# Altium PCB mantarray_beta_drv425_Mounting_Holes.PcbDoc (part 2 of 5)
Units mm, origin at the board's own origin, x right, y up, seen from the top; angles counter-clockwise.
Board outline 158.05 x 258 mm, 8 copper layers (Top Layer, GND1, Signal 1, GND2, DVDD, PWR, AVDD, GND3), stack 1.61 mm thick; 318 components, 274 nets, 1474 pads, 756 vias.
Unrouted connection lines stored in the file: 18.
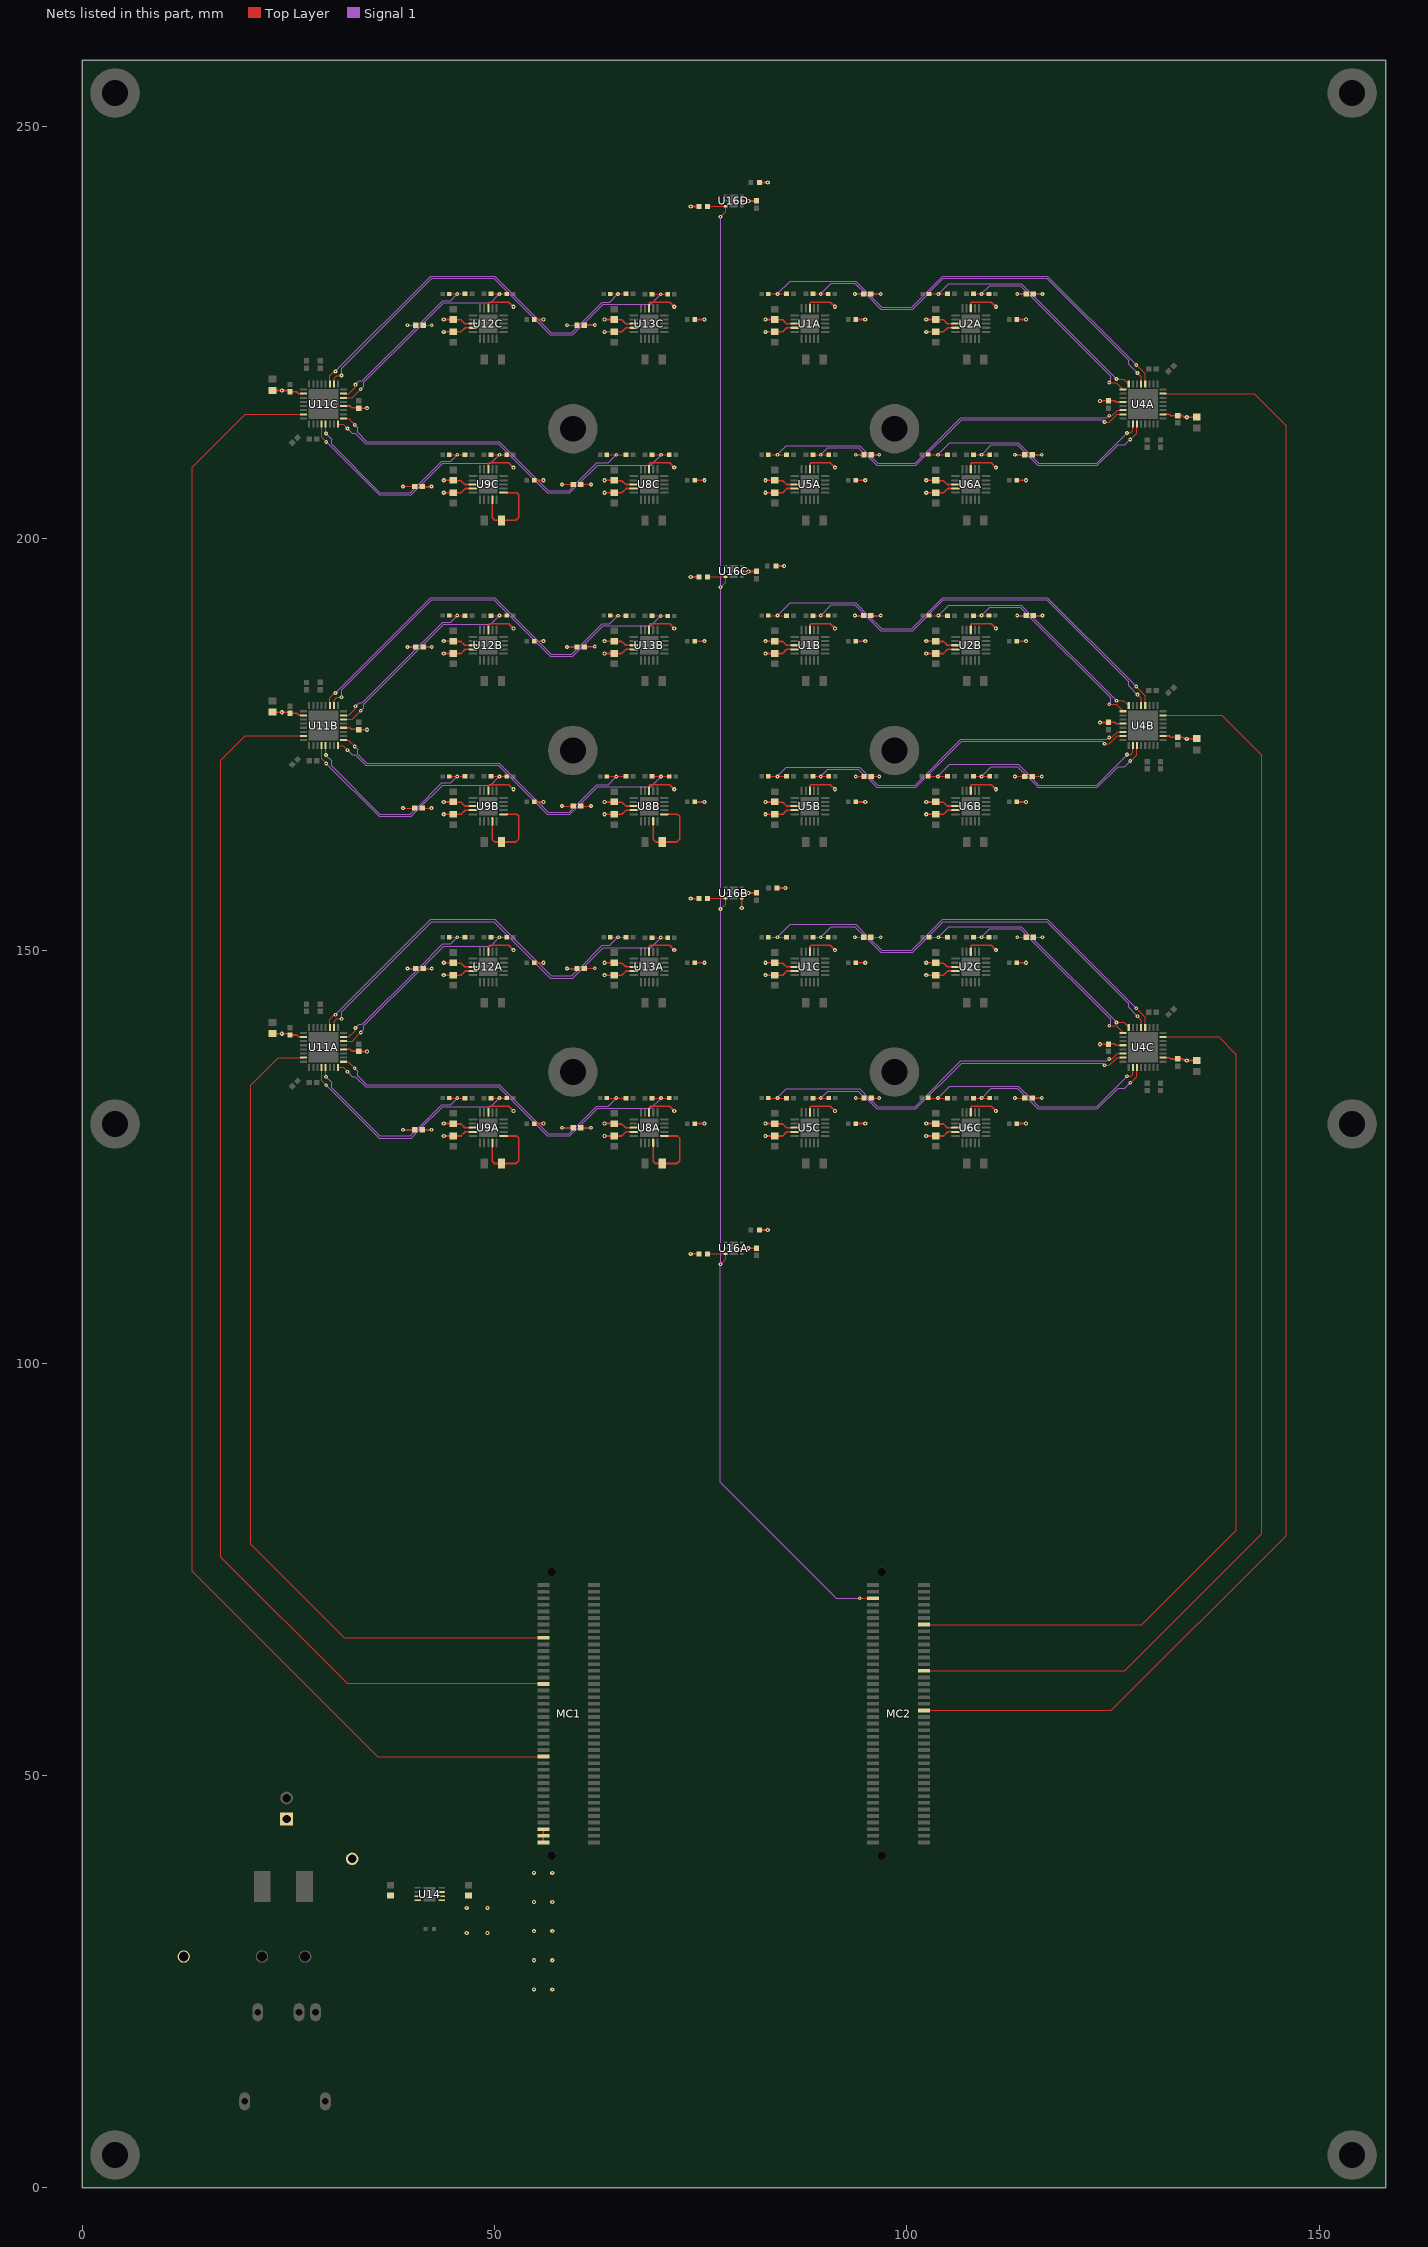
[diagram p8: the nets of this part, all layers, seen from the top]

## Part data
C1A C1B C1C C2A C2B C2C C5A C5B C5C C6A C6B C6C C23A C23B C23C C24A C24B C24C C29A C29B C29C C30A C30B C30C C39A C39B C39C C40A C40B C40C C43A C43B C43C C44A C44B C44C C61A C61B C61C C62A C62B C62C C67A C67B C67C C68A C68B C68C: library part CMP-2008-04598-1, Manufacturer=Murata, Part Number=GRM155R71C103KA01J
C3A C3B C3C C4A C4B C4C C16B C16C C17B C17C C20A C20B C20C C25B C25C C26B C26C C27A C27B C27C C28A C28B C28C C32A C32B C32C C41A C41B C41C C42A C42B C42C C54A C54B C54C C55A C55B C55C C58A C58B C58C C63A C63B C63C C64A C64B C64C C65A C65B C65C C66A C66B C66C C69A C69B C69C C77A C77B C77C C77D: library part CMP-2100-03641-1, "Chip Capacitor, 0.1 uF, +/- 10%, 16 V, -55 to 125 degC, 0402 (1005 Metric), RoHS, Tape and Reel", Capacitance=100nF, Case Code (Imperial)=0402, Case Code (Metric)=1005, Dielectric=X7R, Dielectric Material=Ceramic, Insulation Resistance=10GR, Manufacturer=Murata, Max Operating Temperature=125degC, Min Operating Temperature=-55degC, Package Description="2-Pin Surface Mount Device, Body 1 x 0.5 mm", Package Quantity=1, Tolerance=10%, Voltage=16V, Case/Package=0402, Datasheet URL=http://psearch.en.murata.com/capacitor/product/GRM155R71C104KA88%23.pdf, Datasheet Version=42675.0, Depth=0.5mm, Height=0.5mm, Lead Free=LeadFree, Length=1mm, Manufacturer URL=http://www.murata.com/, Material=Ceramic, Mount=SurfaceMount, Number of Pins=2, Package Reference=0402, Packaging=TapeandReel, Radiation Hardening=No, REACH SVHC=NoSVHC, RoHSCompliant=true, Termination=SMD/SMT, Thickness=0.022inch, Voltage Rating=16V, Voltage Rating (DC)=16V, Width=0.5mm
C7A C7B C7C C8A C8B C8C C9A C9B C9C C10A C10B C10C C18A C18B C18C C19A C19B C19C C21A C21B C21C C22A C22B C22C C45A C45B C45C C46A C46B C46C C47A C47B C47C C48A C48B C48C C56A C56B C56C C57A C57B C57C C59A C59B C59C C60A C60B C60C: library part CMP-2006-03713-1, Manufacturer=Kemet, Part Number=C0603C105K3RACTU
C16A C17A C25A C26A: library part CMP-2100-03641-1, "Chip Capacitor, 0.1 uF, +/- 10%, 16 V, -55 to 125 degC, 0402 (1005 Metric), RoHS, Tape and Reel", Capacitance=100nF, Case/Package=0402, Case Code (Metric)=1005, Dielectric=X7R, Dielectric Material=Ceramic, Insulation Resistance=10GR, Manufacturer=Murata, Max Operating Temperature=125degC, Min Operating Temperature=-55degC, Package Description="2-Pin Surface Mount Device, Body 1 x 0.5 mm", Package Quantity=1, Tolerance=10%, Voltage=16V, Case Code (Imperial)=0402, Datasheet URL=http://psearch.en.murata.com/capacitor/product/GRM155R71C104KA88%23.pdf, Datasheet Version=42675.0, Depth=0.5mm, Height=0.5mm, Lead Free=LeadFree, Length=1mm, Manufacturer URL=http://www.murata.com/, Material=Ceramic, Mount=SurfaceMount, Number of Pins=2, Package Reference=0402, Packaging=TapeandReel, Radiation Hardening=No, REACH SVHC=NoSVHC, RoHSCompliant=true, Termination=SMD/SMT, Thickness=0.022inch, Voltage Rating=16V, Voltage Rating (DC)=16V, Width=0.5mm
C31A C31B C31C C70A C70B C70C: library part CMP-2006-02814-1, Manufacturer=Murata, Part Number=GRM188R61C106MA73D
C71 C72: library part CMP-2006-02523-1, Manufacturer=Murata, Part Number=GRM188R61E475KE11D
C73: library part CMP-03422-000501-1, "CAP CER 10000PF 16V X7R 0402", Capacitance="10 nF", Manufacturer=YAGEO, Package=CC0402, Temperature="-55°C to +125°C", Temperature Characteristic=X7R, Temperature Coefficient=30ppm/°C, Temperature Range High=+125°C, Temperature Range Low=-55°C, Tolerance=0.1, Voltage Rating="16 V", Automotive=No, Automotive Grade=NA, Category=Cap, ComponentLink2Description=Datasheet, ComponentLink2URL=http://www.yageo.com/documents/recent/UPY-GP_NP0_16V-to-50V_16.pdf, Device Class L1="Passive Components", Device Class L2=Capacitors, Device Class L3="Ceramic Capacitors", Digikey Description="CAP CER 10000PF 16V X7R 0402", Footprint Url=http://www.yageo.com/exep/pages/download/literatures/UPY-C_GEN_24.pdf, Height=0.55mm, Ipc Land Pattern Name=CAPC10050X50, Lead Free=Yes, Manufacturer Part Number=CC0402KRX7R7BB103, Material=Ceramic, Mouser Description="0402 10 nF 16 V ±10 % Tolerance X7R SMT Multilayer Ceramic Capacitor", Octopart=https://octopart.com/cc0402krx7r7bb103-yageo-192895, RoHS=TRUE
J1: "IP67 waterproof DC Power Jack"
P1: library part CMP-1704-00001-3, "Male Header, Pitch 2.54 mm, 1 x 2 Position, Height 10.67 mm, Tail Length 3.56 mm, 0 to 75 degC, RoHS, Bulk", Max Operating Temperature="75 degC", Min Operating Temperature="0 degC", Package Quantity=3000, ComponentLink1Description="Manufacturer URL", ComponentLink1URL=http://www.molex.com/, ComponentLink2Description=Datasheet, ComponentLink2URL=https://datasheet.ciiva.com/19454/232266-19454304.pdf, Height="10.67 mm", Length="5.08 mm", Mount="Through Hole", Mounting Technology="Through Hole", PackageDescription="Male Header, Pitch 2.54 mm, 1 x 2 Position, Height 10.67 mm, Tail Length 3.56 mm", Packaging=Bulk, partnumber=22-23-2021, Pins=2, Radiation Hardening=No, REACH SVHC=Unknown, RoHSCompliant=True, Width="6.35 mm"
QC1 QC2 QC3: "Faston 110, PCB Termianls, Tab, PCB Thickness (Recommended) 1.57 mm [.062 in], Mating Tab Width .11 in [2.79 mm]"
R1A R1B R1C R2A R2B R2C R3A R3B R3C R4A R4B R4C R13A R13B R13C R14A R14B R14C R15A R15B R15C R16A R16B R16C R23A R23B R23C R24A R24B R24C R25A R25B R25C R26A R26B R26C R35A R35B R35C R36A R36B R36C R37A R37B R37C R38A R38B R38C: library part CMP-2002-07472-1, Manufacturer="Yageo / Phycomp", Part Number=RC0402FR-071KL
R5A R5B R5C R6A R6B R6C R17A R17B R17C R18A R18B R18C R27A R27B R27C R28A R28B R28C R39A R39B R39C R40A R40B R40C: library part CMP-03412-022079-1, "RES SMD 22 OHM 0.1% 1/8W 0805", Manufacturer=Yageo, Package=RT0805, Power Rating=0.125W, Resistance=22Ω, Temperature="-55°C to +155°C", Temperature Coefficient="25 ppm/°C", Temperature Range High=+155°C, Temperature Range Low=-55°C, Tolerance=0.0025, Voltage Rating=150V, Automotive=No, Category=Res, ComponentLink2Description=Datasheet, ComponentLink2URL=http://www.yageo.com/documents/recent/PYu-RT_1-to-0.01_RoHS_L_9.pdf, Composition="Thin Film", Device Class L1="Passive Components", Device Class L2=Resistors, Device Class L3="Chip SMD Resistors", Digikey Description="RES SMD 22 OHM 0.1% 1/8W 0805", Footprint Url=http://www.yageo.com/exep/pages/download/literatures/PYu-R_Mount_10.pdf, Height=0.6mm, Ipc Land Pattern Name=RESC200125X50, Lead Free=Yes, Manufacturer Part Number=RT0805BRD0722RL, Mouser Description="Thin Film Resistors - SMD 1/8W 22 ohm .1% 25ppm", Octopart=https://octopart.com/rt0805brd0722rl-yageo-1436111, RoHS=TRUE, Series=RT
R7A R7B R7C R8A R8B R8C R19A R19B R19C R20A R20B R20C R29A R29B R29C R30A R30B R30C R41A R41B R41C R42A R42B R42C: library part CMP-2002-08135-1, Manufacturer="Vishay Dale", Part Number=CRCW040210K0FKED
R46A R46B R46C R46D R47A R47B R47C R47D: library part CMP-02407-000023-1, "RES SMD 5.1K OHM 1% 1/16W 0402", Manufacturer=Vishay, Package=CRCW0402-e3, Power Rating=0.063W, Resistance=5.1kΩ, Temperature="-55°C to +155°C", Temperature Coefficient=100ppm/°C, Temperature Range High=+155°C, Temperature Range Low=-55°C, Tolerance=1%, Voltage Rating=50V, Automotive=Yes, Automotive Grade="Grade 0", Category=Res, ComponentLink2Description=Datasheet, ComponentLink2URL=http://www.vishay.com/docs/20035/dcrcwe3.pdf, Composition="Thick Film", Device Class L1="Passive Components", Device Class L2=Resistors, Device Class L3="Chip SMD Resistors", Digikey Description="RES SMD 5.1K OHM 1% 1/16W 0402", Height=0.4mm, Ipc Land Pattern Name=RESC10050X35, Lead Free=Yes, Manufacturer Part Number=CRCW04025K10FKED, Octopart=https://octopart.com/crcw04025k10fked-vishay-39831117, RoHS=TRUE, Series=CRCW
TP1 TP3: library part CMP-1672-00008-1, "Test Point, 1 Position SMD, RoHS, Tape and Reel", Package Quantity=1000, ComponentLink1Description="Manufacturer URL", ComponentLink1URL=http://www.keyelco.com/, ComponentLink2Description=Datasheet, ComponentLink2URL=http://www.keyelco.com/product-pdf.cfm?p=1357, Contact Plating=Silver, DatasheetVersion=03/2014, Mount="Surface Mount", Mounting Technology="Surface Mount", PackageDescription="1-Pin Surface Mount Device, Body 3.81 x 2.03 mm", PackageReference=5019, Packaging="Tape and Reel", Pins=1, RoHSCompliant=True
TP2: "Testpoint", partnumber=000042, NoLoad=NoLoad
U1A U1B U1C U2A U2B U2C U5A U5B U5C U6A U6B U6C U8A U8B U8C U9A U9B U9C U12A U12B U12C U13A U13B U13C: "Texas Instruments Fluxgate Magnetic-Field Sensor"
U4A U4B U4C U11A U11B U11C: "8-Channel, Low Noise, Low Power, 24-Bit, / Sigma-Delta ADC with PGA and Reference"
U14: library part CMP-0786-00090-1, "1 A, Low Dropout, CMOS Linear Regulator, 2.5 to 5.5 V Vin, 3.3 V Vout, Industrial, 8-pin QFN (CP-8-2), Reel", Manufacturer="Analog Devices", Preset Vout Values (V)=3.3, Supply Current IGND @ Small Load=50uA, ComponentLink1Description="Manufacturer URL", ComponentLink1URL=http://www.analog.com/en/index.html, ComponentLink2Description=Datasheet, ComponentLink2URL=http://www.analog.com/static/imported-files/data_sheets/ADP1706_1707_1708.pdf, ComponentLink3Description="Package Specification", ComponentLink3URL=http://www.analog.com/static/imported-files/packages/56953322593982CP_8_2.pdf, ComponentLink4Description="URL Link1", ComponentLink4URL="Product URL:http://www.analog.com/en/ADP1706/productSearch.html", DatasheetVersion="Rev. 0", Iout max=1A, Mounting Technology="Surface Mount", PackageDescription="8-Pin Lead Frame Chip Scale Package, Body 3 x 3 mm, Pitch 0.5 mm", PackageReference=CP-8-2, PackageVersion="061507-B, 06/2007", Packing=Reel, partnumber=ADP1706ACPZ-3.3-R7, Vin (max) (V)=5.5, Vin (min) (V)=2.5
U16A U16B U16C U16D: library part CMP-04948-000009-1, "TEMPERATURE SENSOR", Ambient Temperature Range High=+150°C, Ambient Temperature Range Low=-55°C, Manufacturer="Texas Instruments", Max Supply Voltage=5.5V, Min Supply Voltage=1.8V, Operating Supply Current=3.5-16uA, Package=DRV0006A, Temperature="-55°C to +150°C", Automotive=No, Category=IC, ComponentLink2Description=Datasheet, ComponentLink2URL=http://www.ti.com/lit/ds/symlink/tmp117.pdf, Device Class L1=Sensors, Device Class L2="Temperature and Humidity Sensors", Device Class L3=unset, Digikey Description="TEMPERATURE SENSOR", Height=0.8mm, Interface=I2C,2-Wire,SMBus, Ipc Land Pattern Name=DFN200X200X80-6, Lead Free=Yes, Manufacturer Part Number=TMP117AIDRVR, Max Junction Temp=+150°C, Octopart=https://octopart.com/tmp117aidrvr-texas+instruments-95511044, Resolution=16bits, RoHS=TRUE, Standoff Height=0mm, Temperature Range High=+150°C, Temperature Range Low=-55°C

## Free pads (board coordinates)
  round 6 hole 3.15: 0(4,254) 0(4,4) 0(4,129) 0(59.5,135.3) 0(59.5,174.3) 0(59.5,213.3) 0(98.5,135.3) 0(98.5,174.3) 0(98.5,213.3) 0(154,4) 0(154,129) 0(154,254)

## Via types
v1: diameter 0.508, hole 0.203, Top Layer to GND3, 292 vias
v2: diameter 0.457, hole 0.152, Top Layer to GND3, 266 vias
v3: diameter 0.5, hole 0.2, Top Layer to GND3, 106 vias
v4: diameter 0.55, hole 0.2, Top Layer to GND3, 54 vias
v5: diameter 0.635, hole 0.305, Top Layer to GND3, 30 vias
v6: diameter 1.524, hole 1.016, Top Layer to GND3, 6 vias
v7: diameter 1.8, hole 1.2, Top Layer to GND3, 2 vias

## Nets (pads, with @x,y where several pads share a name; then routed paths per layer and width w, separated by ;. In a path a pad name is that pad's centre, name@x,y a point inside that pad or via, vN(x,y) a via of type N, cw(c..) or ccw(c..) an arc to the next point about the centre after c; other vN are vias at no path point)
+5V: C71.2 MC1.1 MC1.3 MC1.5 P1.1 QC3.1 U14.3 U14.4 | length 1.6
  Top Layer w0.203: MC1.5@55.914,43.5 MC1.5@55.918,43.504 ; MC1.1@55.918,41.904 MC1.3@55.918,42.696 MC1.5@55.918,43.496 MC1.5@55.918,43.504 ; MC1.5@55.92,43.502 MC1.5@55.918,43.504
  other v1: 54.8,24.067 57,24.067 54.8,27.6 57,27.6 54.8,31.133 57,31.133 54.8,34.667 57,34.667 54.8,38.2 57,38.2
A1LA_N: C40A.2 C42A.2 R24A.1 U11A.4 | length 32.6
  Top Layer w0.127: U11A.4@29.037,135.875 29.042,135.87 29.042,134.258 v2(29.6,133.7) ; C42A.2@41.23,128.3 v2(42.373,128.301) ; R24A.1@49.6,132.146 C40A.2@51.5,132.146
  Signal 1 w0.127: v2(29.6,133.7) 36.004,127.296 39.905,127.296 40.905,128.295 ; v2(42.373,128.301) 42.368,128.295 40.905,128.295 ; v2(50.6,132.15) 49.55,131.1 43.709,131.1 40.905,128.295
A1LA_P: C42A.1 C44A.2 R26A.1 U11A.5 | length 27.3
  Top Layer w0.127: U11A.5@29.537,135.875 29.55,135.862 29.55,134.75 v2(29.562,134.738) ; v2(38.9,128.3) C42A.1@40.35,128.3 ; C44A.2@44.525,132.146 v2(45.475,132.146) R26A.1@46.425,132.146
  Signal 1 w0.127: v2(29.562,134.738) 30.25,134.05 30.25,133.409 36.109,127.55 39.8,127.55 40.55,128.3 ; v2(38.9,128.3) 40.55,128.3 ; v2(45.475,132.146) 44.683,131.354 43.604,131.354 40.55,128.3
A1LB_N: C40B.2 C42B.2 R24B.1 U11B.4 | length 32.6
  Top Layer w0.127: U11B.4@29.037,174.875 29.042,174.87 29.042,173.258 v2(29.6,172.7) ; C42B.2@41.23,167.3 v2(42.373,167.301) ; R24B.1@49.6,171.146 C40B.2@51.5,171.146
  Signal 1 w0.127: v2(29.6,172.7) 36.004,166.296 39.905,166.296 40.905,167.295 ; v2(42.373,167.301) 42.368,167.295 40.905,167.295 ; v2(50.6,171.15) 49.55,170.1 43.709,170.1 40.905,167.295
A1LB_P: C42B.1 C44B.2 R26B.1 U11B.5 | length 27.3
  Top Layer w0.127: U11B.5@29.537,174.875 29.55,174.862 29.55,173.75 v2(29.562,173.738) ; v2(38.9,167.3) C42B.1@40.35,167.3 ; C44B.2@44.525,171.146 v2(45.475,171.146) R26B.1@46.425,171.146
  Signal 1 w0.127: v2(29.562,173.738) 30.25,173.05 30.25,172.409 36.109,166.55 39.8,166.55 40.55,167.3 ; v2(38.9,167.3) 40.55,167.3 ; v2(45.475,171.146) 44.683,170.354 43.604,170.354 40.55,167.3
A1LC_N: C40C.2 C42C.2 R24C.1 U11C.4 | length 32.6
  Top Layer w0.127: U11C.4@29.037,213.875 29.042,213.87 29.042,212.258 v2(29.6,211.7) ; C42C.2@41.23,206.3 v2@42.372,206.3 ; R24C.1@49.6,210.146 C40C.2@51.5,210.146
  Signal 1 w0.127: v2(29.6,211.7) 36.004,205.296 39.905,205.296 40.905,206.295 ; v2(42.373,206.301) 42.368,206.295 40.905,206.295 ; v2(50.6,210.15) 49.55,209.1 43.709,209.1 40.905,206.295
A1LC_P: C42C.1 C44C.2 R26C.1 U11C.5 | length 27.3
  Top Layer w0.127: U11C.5@29.537,213.875 29.55,213.862 29.55,212.75 v2(29.562,212.738) ; v2(38.9,206.3) C42C.1@40.35,206.3 ; C44C.2@44.525,210.146 v2(45.475,210.146) R26C.1@46.425,210.146
  Signal 1 w0.127: v2(29.562,212.738) 30.25,212.05 30.25,211.409 36.109,205.55 39.8,205.55 40.55,206.3 ; v2(38.9,206.3) 40.55,206.3 ; v2(45.475,210.146) 44.683,209.354 43.604,209.354 40.55,206.3
A1RA_N: C2A.2 C4A.2 R2A.2 U4A.9 | length 27.8
  Top Layer w0.127: R2A.2@108.1,229.65 C2A.2@109.96,229.65 ; v2(113.4,229.65) C4A.2@114.46,229.65 ; v2(124.532,218.9) 125.38,218.9 126.233,218.047 U4A.9@126.235,218.05
  Signal 1 w0.127: v2(109.05,229.65) 110.046,230.646 113.748,230.646 114.747,229.647 ; v2(113.4,229.65) 113.403,229.647 114.747,229.647 ; v2(124.532,218.9) 124.532,218.971 124.7,219.14 124.7,219.694 114.747,229.647
A1RA_P: C4A.1 C6A.2 R4A.2 U4A.8 | length 33.4
  Top Layer w0.127: C6A.2@102.7,229.687 102.7,229.662 C6A.2@102.725,229.687 ; C6A.2@102.725,229.65 v2(103.825,229.65) R4A.2@104.925,229.65 ; C4A.1@115.34,229.65 v2(116.45,229.65) ; v2(125.434,219.319) 126.316,219.319 U4A.8@126.91,218.725
  Signal 1 w0.127: v2@103.825,229.675 103.875,229.675 105.1,230.9 113.853,230.9 115.101,229.651 ; v2(116.45,229.65) 116.449,229.651 115.101,229.651 ; v2(125.434,219.319) 115.101,229.651
A1RB_N: C2B.2 C4B.2 R2B.2 U4B.9 | length 27.8
  Top Layer w0.127: R2B.2@108.1,190.65 C2B.2@109.96,190.65 ; v2(113.4,190.65) C4B.2@114.46,190.65 ; v2(124.532,179.9) 125.38,179.9 126.233,179.047 U4B.9@126.235,179.05
  Signal 1 w0.127: v2(109.05,190.65) 110.046,191.646 113.748,191.646 114.747,190.647 ; v2(113.4,190.65) 113.403,190.647 114.747,190.647 ; v2(124.532,179.9) 124.532,179.971 124.7,180.14 124.7,180.694 114.747,190.647
A1RB_P: C4B.1 C6B.2 R4B.2 U4B.8 | length 33.4
  Top Layer w0.127: C6B.2@102.7,190.687 102.7,190.662 C6B.2@102.725,190.687 ; C6B.2@102.725,190.65 v2(103.825,190.65) R4B.2@104.925,190.65 ; C4B.1@115.34,190.65 v2(116.45,190.65) ; v2(125.434,180.319) 126.316,180.319 U4B.8@126.91,179.725
  Signal 1 w0.127: v2@103.825,190.675 103.875,190.675 105.1,191.9 113.853,191.9 115.101,190.651 ; v2(116.45,190.65) 116.449,190.651 115.101,190.651 ; v2(125.434,180.319) 115.101,190.651
A1RC_N: C2C.2 C4C.2 R2C.2 U4C.9 | length 27.8
  Top Layer w0.127: R2C.2@108.1,151.65 C2C.2@109.96,151.65 ; v2(113.4,151.65) C4C.2@114.46,151.65 ; v2(124.532,140.9) 125.38,140.9 126.233,140.047 U4C.9@126.235,140.05
  Signal 1 w0.127: v2(109.05,151.65) 110.046,152.646 113.748,152.646 114.747,151.647 ; v2(113.4,151.65) 113.403,151.647 114.747,151.647 ; v2(124.532,140.9) 124.532,140.971 124.7,141.14 124.7,141.694 114.747,151.647
A1RC_P: C4C.1 C6C.2 R4C.2 U4C.8 | length 33.4
  Top Layer w0.127: C6C.2@102.7,151.687 102.7,151.662 C6C.2@102.725,151.687 ; C6C.2@102.725,151.65 v2(103.825,151.65) R4C.2@104.925,151.65 ; C4C.1@115.34,151.65 v2(116.45,151.65) ; v2(125.434,141.319) 126.316,141.319 U4C.8@126.91,140.725
  Signal 1 w0.127: v2@103.825,151.675 103.875,151.675 105.1,152.9 113.853,152.9 115.101,151.651 ; v2(116.45,151.65) v2(116.45,151.65) 115.101,151.651 ; v2(125.434,141.319) 115.101,151.651
A2LA_N: C39A.2 C41A.2 R23A.1 U11A.8 | length 49.4
  Top Layer w0.127: U11A.8@31.037,135.875 31.644,135.875 v2(32.19,135.329) ; C41A.2@60.44,128.55 v2(61.7,128.55) ; R23A.1@69.1,132.146 C39A.2@71.21,132.146
  Signal 1 w0.127: v2(32.19,135.329) 32.769,134.75 33.141,134.75 34.395,133.496 50.445,133.496 56.391,127.55 59.155,127.55 60.153,128.547 ; v2(61.7,128.55) 61.697,128.547 60.153,128.547 ; v2(70.2,132.15) 68.946,130.896 62.501,130.896 60.153,128.547
A2LA_P: C41A.1 C43A.2 R25A.1 U11A.9 | length 44.1
  Top Layer w0.127: U11A.9@31.712,136.55 32.3,136.55 33.061,135.789 v2(33.061,135.764) ; v2(58.2,128.55) C41A.1@59.56,128.55 ; C43A.2@63.61,132.146 v2(64.767,132.146) R25A.1@65.925,132.146
  Signal 1 w0.127: v2(33.061,135.764) 33.4,135.425 33.4,134.85 34.5,133.75 50.55,133.75 56.496,127.804 59.05,127.804 59.798,128.552 ; v2(58.2,128.55) 58.202,128.552 59.798,128.552 ; v2(64.767,132.146) 63.771,131.15 62.396,131.15 59.798,128.552
A2LB_N: C39B.2 C41B.2 R23B.1 U11B.8 | length 49.4
  Top Layer w0.127: U11B.8@31.037,174.875 31.644,174.875 v2(32.19,174.329) ; C41B.2@60.44,167.55 v2(61.7,167.55) ; R23B.1@69.1,171.146 C39B.2@71.21,171.146
  Signal 1 w0.127: v2(32.19,174.329) 32.769,173.75 33.141,173.75 34.395,172.496 50.445,172.496 56.391,166.55 59.155,166.55 60.153,167.547 ; v2(61.7,167.55) 61.697,167.547 60.153,167.547 ; v2(70.2,171.15) 68.946,169.896 62.501,169.896 60.153,167.547
A2LB_P: C41B.1 C43B.2 R25B.1 U11B.9 | length 44.1
  Top Layer w0.127: U11B.9@31.712,175.55 32.3,175.55 33.061,174.789 v2(33.061,174.764) ; v2(58.2,167.55) C41B.1@59.56,167.55 ; C43B.2@63.61,171.146 v2(64.767,171.146) R25B.1@65.925,171.146
  Signal 1 w0.127: v2(33.061,174.764) 33.4,174.425 33.4,173.85 34.5,172.75 50.55,172.75 56.496,166.804 59.05,166.804 59.798,167.552 ; v2(58.2,167.55) 58.202,167.552 59.798,167.552 ; v2(64.767,171.146) 63.771,170.15 62.396,170.15 59.798,167.552
A2LC_N: C39C.2 C41C.2 R23C.1 U11C.8 | length 49.4
  Top Layer w0.127: U11C.8@31.037,213.875 31.644,213.875 v2(32.19,213.329) ; C41C.2@60.44,206.55 v2(61.7,206.55) ; R23C.1@69.1,210.146 C39C.2@71.21,210.146
  Signal 1 w0.127: v2(32.19,213.329) 32.769,212.75 33.141,212.75 34.395,211.496 50.445,211.496 56.391,205.55 59.155,205.55 60.153,206.547 ; v2(61.7,206.55) 61.697,206.547 60.153,206.547 ; v2(70.2,210.15) 68.946,208.896 62.501,208.896 60.153,206.547
A2LC_P: C41C.1 C43C.2 R25C.1 U11C.9 | length 44.1
  Top Layer w0.127: U11C.9@31.712,214.55 32.3,214.55 33.061,213.789 v2(33.061,213.764) ; v2(58.2,206.55) C41C.1@59.56,206.55 ; C43C.2@63.61,210.146 v2(64.767,210.146) R25C.1@65.925,210.146
  Signal 1 w0.127: v2(33.061,213.764) 33.4,213.425 33.4,212.85 34.5,211.75 50.55,211.75 56.496,205.804 59.05,205.804 59.798,206.552 ; v2(58.2,206.55) 58.202,206.552 59.798,206.552 ; v2(64.767,210.146) 63.771,209.15 62.396,209.15 59.798,206.552